# KiCad board 8851_HW-U1-VCU118_REV2-0_071417.kicad_pcb (continued)
## Routing (per net, layer and track width the routed paths; a pad name or vN(x,y) marks a point on that pad's centre or on a via; arc(x,y) is an arc through that point) (continued)
DDR4_C1_A10: length 145.2
  TOP w0.15: 96.2,53.49 v2(95.71,52.99)
  TOP w0.275: v3(75.49,102.35) 75.57,102.44 75.57,103.1
  03_SIG1 w0.17: 70.75,97.8 70.75,97.43 70.43,97.1 v1(70.43,92.35)
  03_SIG1 w0.287: 70.75,97.8 70.75,99.42 72.18,100.85 73.05,100.85 73.84,101.64 74.81,101.64 75.49,102.32 v3(75.49,102.35)
  07_SIG3 w0.17: v2(95.71,52.99) 95.21,52.5 95.21,51.81 94.93,51.52 93.47,51.52 93.16,51.21 93.16,49.82 92.99,49.65 92.9,49.65 ; 73.19,41.84 73.19,39.05 72.86,38.73 72.86,37.57 72.63,37.34 70.92,37.34 v1(70.43,36.85)
  07_SIG3 w0.287: 73.19,41.84 73.19,42 73.61,42.42 74.41,42.42 77.01,45.02 77.01,45.26 76.59,45.68 76.59,45.92 76.76,46.08 77,46.08 77.42,45.66 77.66,45.66 77.82,45.83 77.82,46.07 77.4,46.49 77.4,46.73 77.57,46.9 77.81,46.9 78.23,46.48 78.47,46.48 78.83,46.84 80.7,46.84 80.76,46.78 82.54,46.78 82.83,47.06 82.83,47.47 82.51,47.79 82.51,47.98 82.73,48.2 83,48.2 84.08,47.12 84.55,47.12 85.33,47.89 85.33,48.1 84.68,48.74 84.68,48.96 84.9,49.18 85.12,49.18 85.75,48.55 85.99,48.55 86.21,48.77 86.21,48.99 85.15,50.04 85.15,50.26 85.37,50.48 85.59,50.48 86.65,49.43 86.86,49.43 87.03,49.6 87.03,50.9 87.19,51.05 87.5,51.05 87.65,50.9 87.65,49.48 87.81,49.32 88.12,49.32 88.27,49.48 88.27,50.9 88.43,51.05 88.74,51.05 88.89,50.9 88.89,49.48 89.05,49.32 89.36,49.32 89.51,49.48 89.51,50.9 89.67,51.05 89.98,51.05 90.13,50.9 90.13,49.48 90.29,49.32 90.6,49.32 90.75,49.48 90.75,50.9 90.91,51.05 91.22,51.05 91.37,50.9 91.37,49.48 91.53,49.32 91.84,49.32 91.99,49.48 91.99,50.9 92.15,51.05 92.46,51.05 92.62,50.89 92.62,49.8 92.77,49.65 92.9,49.65
  16_SIG5 w0.087: v1(70.43,36.85) 70.43,38.48 70.82,38.88 70.82,42.91 70.65,43.08 70.2,43.08 70.03,43.25 70.03,43.59 70.2,43.76 70.65,43.76 70.82,43.93 70.82,44.27 70.65,44.44 70.2,44.44 70.03,44.61 70.03,44.95 70.2,45.12 70.65,45.12 70.82,45.29 70.82,45.63 70.65,45.8 70.2,45.8 70.03,45.97 70.03,46.31 70.2,46.48 70.65,46.48 70.82,46.65 70.82,50.33 v1(70.43,50.73) 70.82,51.12 70.82,54.73 70.65,54.9 70.56,54.9 70.39,55.07 70.39,55.41 70.56,55.58 70.65,55.58 70.82,55.75 70.82,56.09 70.65,56.26 70.56,56.26 70.39,56.43 70.39,56.77 70.56,56.94 70.65,56.94 70.82,57.11 70.82,60.46 70.65,60.63 69.88,60.63 69.71,60.8 69.71,61.14 69.88,61.31 70.65,61.31 70.82,61.48 70.82,64.21 v1(70.43,64.6) 70.82,64.99 70.82,78.08 v1(70.43,78.48) 70.61,78.66 70.61,86.85 70.82,87.07 70.82,88.47 70.65,88.64 70.23,88.64 70.05,88.82 70.05,89.16 70.2,89.32 70.65,89.32 70.82,89.49 70.82,91.96 v1(70.43,92.35)
  BOTTOM w0.15: 70.82,50.33 v1(70.43,50.73) ; 70.82,78.08 v1(70.43,78.48) ; 70.82,91.96 v1(70.43,92.35) ; 70.82,64.21 v1(70.43,64.6) ; 70.82,36.46 v1(70.43,36.85)
  BOTTOM w0.375: 74.76,95.9 v1(75.15,96.29) ; 74.76,82.02 v1(75.15,82.41) ; 74.76,40.4 v1(75.15,40.79) ; 74.76,54.27 v1(75.15,54.66) ; 74.76,68.15 v1(75.15,68.54)
DDR4_C1_A11: length 161.5
  TOP w0.15: v2(94.72,53.98) 95.21,54.47
  TOP w0.275: v3(84.57,98.82) 84.57,99.47 84.32,99.72
  18_SIG6 w0.087: v1(67.28,35.28) 66.28,35.28 63.66,37.9 63.66,42.57 64.49,43.4 64.49,46.36 v1(67.28,49.15) 66.86,49.15 64.54,51.47 64.54,53.49 64.86,53.81 64.86,54.95 64,55.81 64,58.14 66.41,60.55 66.41,62.16 v1(67.28,63.03) 66.98,63.03 65.87,64.14 65.87,75.49 v1(67.28,76.9) 66.76,76.9 66.39,77.27 66.39,89.89 v1(67.28,90.78)
  20_SIG7 w0.087: 68.46,34.33 68.46,34.65 68.23,34.88 67.68,34.88 v1(67.28,35.28) ; v2(94.72,53.98) 95.21,53.49 95.91,53.49 96.2,53.2 96.2,49.77 96.41,49.56 96.6,49.56 96.99,49.56 97.18,49.36 97.18,42.1
  20_SIG7 w0.155: 68.46,34.33 70.44,32.35 83.17,32.35 83.73,32.91 88.38,32.91 89.11,33.63 90.84,33.63 91.22,34.01 91.22,34.71 89.92,36.01 89.92,36.41 90.33,36.82 90.74,36.82 92.04,35.52 92.44,35.52 92.85,35.93 92.85,36.33 91.55,37.63 91.55,38.04 91.96,38.45 92.36,38.45 93.26,37.55 93.66,37.55 94.07,37.96 94.07,38.37 93.18,39.26 93.18,39.67 93.58,40.07 93.99,40.07 95.24,38.82 95.62,38.82 96.22,39.42 96.22,40.78 97.18,41.74 97.18,42.1
  BOTTOM w0.15: 67.67,49.55 v1(67.28,49.15) ; 67.67,77.3 v1(67.28,76.9) ; 67.67,91.17 v1(67.28,90.78) 66.9,90.78 66.5,91.17 ; 67.67,63.42 v1(67.28,63.03) ; 67.67,35.67 v1(67.28,35.28)
  BOTTOM w0.275: 66.5,91.17 65.82,91.85 65.82,94.8 64.58,96.05 64.58,99.12 65.82,100.36 83.03,100.36 v3(84.57,98.82)
DDR4_C1_A12: length 138
  TOP w0.15: v2(95.71,53.98) 96.2,54.47
  TOP w0.275: 68.07,99.72 68.07,98.93 v3(67.87,98.73)
  05_SIG2 w0.17: v1(71.22,94.71) 70.78,94.27 66.91,94.27 66.5,94.69 ; 66.5,97.8 66.5,97.8
  05_SIG2 w0.287: v3(67.87,98.73) 67.43,98.73 66.5,97.8 ; 66.5,97.8 66.16,97.46 66.16,95.02 66.5,94.69
  07_SIG3 w0.17: v1(71.22,94.71) 70.82,94.32 70.82,89.06 70.46,88.7 70.46,87.44 69.63,86.6 69.63,85.11 70.61,84.13 70.61,81.45 v1(71.22,80.84) 70.82,80.45 70.82,75.82 70.15,75.15 70.15,69.76 70.56,69.35 70.56,67.63 v1(71.22,66.96) 71.22,65.99 72.47,64.73 72.47,61.18 72.67,60.99 73.46,60.99 73.78,60.67 73.78,59.11 74.11,58.77 74.11,57.48 73.65,57.02 72.19,57.02 71.61,56.44 71.61,53.48 v1(71.22,53.09) 70.82,52.7 70.82,39.61 v1(71.22,39.21)
  20_SIG7 w0.087: v2(95.71,53.98) 95.21,54.47 94.52,54.47 94.23,54.76 94.23,55.17 93.94,55.46 93.41,55.46 ; v1(71.22,39.21) 71.22,38.4 73.16,36.46 80.9,36.46
  20_SIG7 w0.155: 80.9,36.46 83.05,36.46 83.3,36.7 83.3,37.06 82.89,37.47 82.89,37.88 83.29,38.29 83.7,38.29 84.11,37.87 84.47,37.87 84.8,38.21 84.8,38.61 84.46,38.95 84.46,39.36 84.87,39.76 85.28,39.76 85.61,39.43 86.02,39.43 86.79,40.19 86.79,40.78 86.5,41.07 84.32,41.07 84.03,41.36 84.03,41.93 84.32,42.22 86.5,42.22 86.79,42.51 86.79,43.08 86.5,43.37 84.77,43.37 84.48,43.66 84.48,44.23 84.77,44.52 86.5,44.52 86.79,44.81 86.79,45.38 86.5,45.67 84.32,45.67 84.03,45.96 84.03,46.53 84.32,46.82 86.5,46.82 86.79,47.11 86.79,47.68 86.5,47.97 84.91,47.97 84.62,48.26 84.62,48.83 84.91,49.12 86.5,49.12 86.79,49.41 86.79,51.01 91.23,55.46 93.41,55.46
  BOTTOM w0.15: 70.82,39.61 v1(71.22,39.21) ; 70.82,81.23 v1(71.22,80.84) ; 70.82,53.48 v1(71.22,53.09) ; 70.82,67.36 v1(71.22,66.96) ; 70.82,95.11 v1(71.22,94.71)
DDR4_C1_A13: length 152.7
  TOP w0.15: v2(96.69,55.95) 97.18,56.44
  TOP w0.275: v3(83.42,98.82) 83.32,98.92 83.32,99.72
  16_SIG5 w0.087: 80.33,35.67 69.48,35.67 69.25,35.9 69.25,37.02 68.62,37.66 68.05,37.66 67.67,38.04 67.67,40.4 v1(67.28,40.79) ; v2(96.69,55.95) 96.93,55.95 97.42,55.46 97.88,55.46 98.17,55.17 98.17,54.86 98.17,54.76 98.45,54.47 98.86,54.47 99.15,54.18 99.15,53.78 98.86,53.49 98.58,53.49 98.45,53.49 98.17,53.2 98.17,53.08 98.17,42.03
  16_SIG5 w0.138: 98.17,42.03 98.17,41.72 98.05,41.6
  16_SIG5 w0.155: 98.05,41.6 97.61,41.16 97.29,41.16 94.9,38.77 94.49,38.77 94.39,38.87 93.98,38.87 93.58,38.46 93.58,38.05 93.68,37.95 93.68,37.55 92.74,36.61 92.33,36.61 91.13,37.82 90.72,37.82 90.31,37.41 90.31,37.01 91.52,35.8 91.52,35.39 90.75,34.62 90.09,34.62 89.7,35.01 89.7,36.5 88.44,37.76 85.41,37.76 83.9,36.25 83.9,34.98 83.47,34.56 82.94,34.56 81.94,35.56 80.44,35.56 80.33,35.67
  20_SIG7 w0.087: v1(67.28,96.29) 66.56,95.56 66.56,94.47 66.72,94.3 67.08,94.3 67.25,94.13 67.25,93.79 67.08,93.62 66.72,93.62 66.56,93.45 66.56,83.14 v1(67.28,82.41) 67.67,82.02 67.67,72.11 67.55,71.99 67.55,71.15 67.67,71.03 67.67,68.93 v1(67.28,68.54) 66.45,68.54 65.85,67.94 65.85,64.26 65.69,64.11 65.48,64.11 65.33,63.95 65.33,63.49 65.48,63.33 65.69,63.33 65.85,63.18 65.85,60.58 65.69,60.43 65.31,60.43 65.15,60.27 65.15,59.81 65.31,59.65 65.69,59.65 65.85,59.5 65.85,58.94 66.28,58.52 66.28,55.67 v1(67.28,54.66) 66.44,53.82 66.44,51.99 64.53,50.08 64.53,43.17 64.96,42.74 65.18,42.74 65.51,43.07 65.73,43.07 66.06,42.75 66.06,42.53 65.72,42.2 65.72,41.98 66.91,40.79 v1(67.28,40.79)
  BOTTOM w0.15: 67.67,95.9 v1(67.28,96.29) 66.7,96.87 66.7,97.47 67.03,97.8 ; 67.67,82.02 v1(67.28,82.41) ; 67.67,68.15 v1(67.28,68.54) ; 67.67,40.4 v1(67.28,40.79) ; 67.67,54.27 v1(67.28,54.66)
  BOTTOM w0.275: 67.03,97.8 67.25,98.02 75.55,98.02 77.39,99.86 82.73,99.86 83.42,99.18 v3(83.42,98.82)
DDR4_C1_A14_WE_B: length 149.5
  TOP w0.15: v2(100.63,54.96) 101.12,55.46
  TOP w0.275: 65.82,99.72 65.82,98.82 v3(65.88,98.76)
  14_SIG4 w0.087: 98.17,41.9 98.17,42.35 98.16,42.35 98.16,42.37 97.88,42.66 97.86,42.66 97.86,42.66 97.47,42.66 97.18,42.95 97.18,42.95 97.18,42.97 97.18,42.97 97.18,43.37 97.45,43.65 98.86,43.65 99.15,43.94 99.15,44.34 99.44,44.63 99.76,44.63 99.77,44.63 99.85,44.63 100.13,44.92 100.13,46.28 100.14,46.29 100.14,46.31 100.43,46.6 100.87,46.6 101.12,46.85 101.12,48.28 101.41,48.56 101.92,48.56 102.11,48.75 102.11,48.85 102.11,49.26 102.39,49.55 102.85,49.55 103.09,49.79 103.09,50.26 103.36,50.53 103.85,50.53 104.07,50.75 104.07,52.21 103.78,52.5 103.38,52.5 103.09,52.79 103.09,53.2 102.8,53.49 102.39,53.49 102.1,53.78 102.1,54.18 101.81,54.47 101.12,54.47 v2(100.63,54.96) ; v1(71.22,35.28) 70.98,35.28 70.83,35.13 70.83,34.1 70.87,34.05 ; v1(71.22,90.78) 71.22,90.59 70.82,90.19 70.82,89.83 70.59,89.6 67.12,89.6 66.72,89.99 66.72,97.8
  14_SIG4 w0.155: 98.17,41.9 98.54,41.53 98.54,41.38 98.16,41.01 97.96,41.01 97.49,41.48 97.32,41.48 97.15,41.31 97.15,41.13 97.46,40.81 97.46,40.62 97.29,40.44 97.14,40.44 96.5,41.08 96.33,41.08 96.16,40.91 96.16,40.74 96.74,40.15 96.74,39.98 88.83,32.06 88.83,31.84 88.95,31.72 88.95,31.5 88.38,30.93 87.95,30.93 87.78,31.1 87.78,31.25 87.62,31.4 86.68,31.4 86.53,31.25 86.53,30.98 86.65,30.85 87.14,30.85 87.27,30.73 87.27,30.5 87.04,30.27 86.03,30.27 85.9,30.4 85.9,30.96 85.78,31.09 85.2,31.09 85.05,30.94 85.05,30.4 84.93,30.27 84.29,30.27 84.1,30.46 84.1,30.85 83.88,31.07 83.45,31.07 83.25,30.87 83.25,30.7 82.94,30.39 79.77,30.39 79.11,31.04 77.43,31.04 76.75,31.73 73.52,31.73 71.48,33.77 71.15,33.77 70.87,34.05 ; 66.72,97.8 66.72,97.92 v3(65.88,98.76)
  18_SIG6 w0.087: v1(71.22,90.78) 71.61,90.38 71.61,88.82 72.19,88.24 72.19,86.73 70.82,85.36 70.82,78.31 71.05,78.08 71.38,78.08 71.61,77.85 71.61,77.29 v1(71.22,76.9) 71.61,76.51 71.61,75.31 70.82,74.52 70.82,64.44 71.05,64.21 71.38,64.21 71.61,63.98 71.61,63.42 v1(71.22,63.03) 71.42,63.03 71.81,62.63 72.17,62.63 72.4,62.4 72.4,61.09 72.9,60.59 72.9,57.59 72.2,56.9 71.13,56.9 70.82,56.59 70.82,50.56 71.06,50.33 71.38,50.33 71.61,50.1 71.61,49.54 v1(71.22,49.15) 71.61,48.76 71.61,47.28 72.06,46.83 73.07,46.83 73.74,46.16 73.74,43.85 73.33,43.44 72.03,43.44 70.82,42.23 70.82,35.67 v1(71.22,35.28)
  BOTTOM w0.15: 71.61,77.3 v1(71.22,76.9) ; 71.61,91.17 v1(71.22,90.78) ; 71.61,35.67 v1(71.22,35.28) ; 71.61,63.42 v1(71.22,63.03) ; 71.61,49.55 v1(71.22,49.15)
  vias: v1(75.94,95.5) v1(75.94,81.63) v1(75.94,67.75) v1(75.94,53.88) v1(75.94,40)
DDR4_C1_A15_CAS_B: length 143
  TOP w0.15: v2(100.63,55.95) 101.12,56.44
  TOP w0.275: 68.07,103.1 v3(68.07,102.14)
  14_SIG4 w0.087: v2(100.63,55.95) 101.12,55.46 101.69,55.46 102.1,55.04 102.1,54.85 102.48,54.47 102.68,54.47 103.09,54.07 103.09,53.86 103.46,53.49 103.68,53.49 104.07,53.09 104.07,52.82 104.38,52.5 104.67,52.5 105.06,52.12 105.06,50.88 104.71,50.53 104.36,50.53 104.07,50.25 104.07,49.84 104.08,49.84 104.08,49.79 103.83,49.55 103.38,49.55 103.09,49.26 103.09,48.93 103.08,48.93 103.08,48.86 102.8,48.57 102.72,48.57 102.72,48.57 102.27,48.57 102.1,48.4 102.1,46.89 101.81,46.6 101.41,46.6 101.12,46.3 101.12,44.9 100.85,44.63 100.81,44.63 100.8,44.63 100.42,44.63 100.41,44.61 100.4,44.61 100.13,44.34 100.13,44.06 99.72,43.64 99.56,43.64 99.15,43.23 99.15,41.33 ; v1(71.22,96.29) 69.71,97.8 ; 70.03,34.13 70.03,34.05
  14_SIG4 w0.122: v1(71.22,40.79) 70.79,40.36 70.79,38.74 70.46,38.4 69.61,38.4 69.25,38.05 69.25,35.12 69.49,34.88 69.8,34.88 70.03,34.65 70.03,34.13
  14_SIG4 w0.155: v3(68.07,102.14) 68.07,102.14 68.72,101.49 68.72,100.22 69.62,99.32 69.62,97.89 69.71,97.8 ; 99.15,41.33 90.66,32.84 90.66,32.26 90.66,32.26 90.66,32.25 90.35,31.94 90.34,31.94 88.01,29.62 79.52,29.62 79.32,29.42 78.13,29.42 76.47,31.07 73.09,31.07 71.77,32.4 71.59,32.4 70.03,33.96 70.03,34.05
  20_SIG7 w0.087: v1(71.22,96.29) 70.82,95.9 70.82,93.59 70.04,92.81 70.04,87.72 70.56,87.2 70.56,85.45 70.38,85.28 69.87,85.28 69.7,85.11 69.7,84.77 69.87,84.6 70.38,84.6 70.56,84.43 70.56,83.08 v1(71.22,82.41) 70.82,82.02 70.82,74.68 70.91,74.59 71.01,74.59 71.1,74.5 71.1,74.24 71.01,74.15 70.91,74.15 70.82,74.06 70.82,73.8 70.91,73.71 71.01,73.71 71.1,73.63 71.1,73.36 71.01,73.28 70.91,73.28 70.82,73.19 70.82,68.93 v1(71.22,68.54) 70.82,68.15 70.82,66.38 69.25,64.8 69.25,61.55 70.67,60.13 70.67,59.8 70.5,59.63 70.26,59.63 70.09,59.46 70.09,59.12 70.26,58.95 70.5,58.95 70.67,58.78 70.67,58.44 70.5,58.27 70.26,58.27 70.09,58.1 70.09,57.76 70.26,57.59 70.5,57.59 70.67,57.42 70.67,55.21 v1(71.22,54.66) 70.82,54.27 70.82,52.54 69.25,50.97 69.25,48.99 69.02,48.76 68.69,48.76 68.46,48.53 68.46,47.86 67.25,46.65 67.25,46.25 70.41,43.08 70.41,41.59 v1(71.22,40.79)
  BOTTOM w0.15: 70.82,95.9 v1(71.22,96.29) ; 70.82,68.15 v1(71.22,68.54) ; 70.82,54.27 v1(71.22,54.66) ; 70.82,82.02 v1(71.22,82.41) ; 70.82,40.4 v1(71.22,40.79)
DDR4_C1_A16_RAS_B: length 138.4
  TOP w0.15: v2(98.66,55.95) 99.15,56.44
  TOP w0.275: v3(70.17,98.78) 70.07,98.88 70.07,99.72
  14_SIG4 w0.087: v1(72,96.29) 71.61,96.69 71.61,97.34 71.15,97.8
  14_SIG4 w0.155: 71.15,97.8 v3(70.17,98.78)
  20_SIG7 w0.087: v1(72,96.29) 71.61,95.9 71.61,93.49 70.82,92.7 70.82,89.15 72.13,87.84 72.13,85.31 71.61,84.79 71.61,82.81 v1(72,82.41) 71.61,82.02 71.61,72.36 71.88,72.09 71.88,70.16 71.61,69.88 71.61,68.93 v1(72,68.54) 71.61,68.15 71.61,66.41 70.04,64.84 70.04,61.72 70.24,61.52 71.56,61.52 71.85,61.23 71.85,59.95 71.68,59.78 71.49,59.78 71.32,59.61 71.32,59.27 71.49,59.1 71.68,59.1 71.85,58.93 71.85,57.12 71.61,56.89 71.61,55.06 v1(72,54.66) 71.61,54.27 71.61,52.16 70.82,51.37 70.82,48.05 70.27,47.5 70.27,47.26 70.56,46.98 70.56,46.73 70.32,46.49 70.08,46.49 69.79,46.78 69.55,46.78 68.88,46.11 68.88,45.45 70.93,43.4 70.93,42.47 71.61,41.79 71.61,41.18 v1(72,40.79) 71.61,40.4 71.61,38.64 71.69,38.56 ; v2(98.66,55.95) 99.15,55.46 99.15,54.76 98.86,54.47 97.47,54.47 97.18,54.76 97.18,55.17 96.89,55.46 96.49,55.46 96.2,55.74 96.2,56.15 95.91,56.44 92.9,56.44
  20_SIG7 w0.155: 92.9,56.44 90.2,56.44 86.98,59.66 86.59,59.66 86.19,59.26 86.19,58.83 89.4,55.61 89.4,55.2 89,54.8 88.59,54.8 86.7,56.69 86.52,56.69 85.96,56.13 85.96,55.8 87.78,53.98 87.78,53.58 87.37,53.17 86.97,53.17 85.59,54.55 85.18,54.55 84.78,54.14 84.78,53.74 86.15,52.36 86.15,51.95 84.48,50.28 83.85,50.28 83.2,49.63 83.2,44.49 83.62,44.07 83.62,43.03 83.2,42.61 83.2,40.26 80.63,37.7 72.55,37.7 71.69,38.56
  BOTTOM w0.15: 71.61,82.02 v1(72,82.41) ; 71.61,40.4 v1(72,40.79) ; 71.61,54.27 v1(72,54.66) ; 71.61,95.9 v1(72,96.29) ; 71.61,68.15 v1(72,68.54)
  vias: v1(71.22,95.5) v1(71.22,81.63) v1(71.22,67.75) v1(71.22,53.88) v1(71.22,40)
DDR4_C1_ACT_B: length 145.9
  TOP w0.15: v2(97.67,53.98) 98.17,54.47
  TOP w0.275: v3(65.94,102.4) 65.85,102.4 65.82,102.42 65.82,103.1
  05_SIG2 w0.17: v1(71.22,92.35) 70.64,92.93 67.32,92.93 66.5,93.75
  05_SIG2 w0.287: v3(65.94,102.4) 65.94,101.42 64.59,100.06 64.59,96.39 65.5,95.47 65.5,94.75 66.22,94.02 66.23,94.02 66.5,93.75
  16_SIG5 w0.087: 92.9,45.38 93.13,45.61 93.97,45.61 94.23,45.88 94.23,46.01 94.23,55.17 94.52,55.46 95.91,55.46 96.2,55.17 96.2,54.86 96.2,54.65 96.38,54.47 96.89,54.47 97.39,53.98 v2(97.67,53.98) ; 80.33,38 79.11,38 78.31,38.8 73.16,38.8 v1(71.22,36.85) 71.22,38.11 71.61,38.51 71.61,42.4 71.77,42.56 72.14,42.56 72.31,42.73 72.31,44.06 71.61,44.75 71.61,45.26 71.78,45.43 72.24,45.43 72.41,45.6 72.41,45.94 72.24,46.11 71.78,46.11 71.61,46.28 71.61,46.62 71.78,46.79 72.24,46.79 72.41,46.96 72.41,47.3 72.24,47.47 71.78,47.47 71.61,47.64 71.61,50.33 v1(71.22,50.73) 71.61,51.12 71.61,55.95 71.92,56.26 71.92,58.8 71.72,59 71.72,59.65 71.92,59.85 71.92,60.31 71.75,60.48 71.35,60.48 71.18,60.65 71.18,60.99 71.35,61.16 71.75,61.16 71.92,61.33 71.92,61.6 73.01,62.69 73.01,63.9 72.7,64.21 71.61,64.21 v1(71.22,64.6) 71.61,65 71.61,69.49 71.94,69.82 71.94,73.34 71.61,73.67 71.61,78.08 v1(71.22,78.48) 71.61,78.87 71.61,83.89 73.2,85.49 73.2,86.69 71.61,88.28 71.61,91.96 v1(71.22,92.35)
  16_SIG5 w0.155: 92.9,45.38 92.75,45.23 91.32,45.23 91,44.91 91,44.36 91.27,44.1 92.34,44.1 92.56,43.88 92.56,42.6 92.2,42.25 91.87,42.25 90.2,43.91 89.8,43.91 89.39,43.5 89.39,43.09 91.14,41.35 91.61,40.88 92.63,40.88 92.9,40.6 92.9,40.08 92.58,39.77 91.09,39.77 88.58,42.28 88.17,42.28 87.76,41.88 87.76,41.47 89.01,40.22 89.01,40.01 88.51,39.51 88.09,39.51 86.95,40.66 86.54,40.66 85.8,39.91 85.8,39.77 85.51,39.48 84.93,39.48 84.65,39.77 84.65,40.12 84.36,40.4 82.24,40.4 81.94,40.11 81.94,39.31 80.63,38 80.33,38
  BOTTOM w0.15: 71.61,50.33 v1(71.22,50.73) ; 71.61,78.08 v1(71.22,78.48) ; 71.61,91.96 v1(71.22,92.35) ; 71.61,36.46 v1(71.22,36.85) ; 71.61,64.21 v1(71.22,64.6)
  vias: v1(75.15,95.5) v1(75.15,81.63) v1(75.15,67.75) v1(75.15,53.88) v1(75.15,40)
DDR4_C1_ALERT_B: length 144.9
  TOP w0.15: v2(107.52,57.92) 108.01,58.41
  TOP w0.275: v3(71.99,102.21) 71.82,102.38 71.82,103.1
  07_SIG3 w0.17: v1(68.86,97.08) 68.48,97.45 68.48,97.8
  07_SIG3 w0.287: v3(71.99,102.21) 71.39,102.21 71.25,102.08 71.25,100.8 70.97,100.52 68.83,100.52 68.47,100.17 68.47,97.81 68.48,97.8
  14_SIG4 w0.087: v2(107.52,57.92) 107.52,58.19 107.31,58.4 106.24,58.4 106.03,58.61 106.03,59.24 105.88,59.39 92.9,59.39 ; v1(68.86,41.58) 69.25,41.19 69.8,41.19 70.03,41.41 70.03,42.15
  14_SIG4 w0.155: 70.03,42.15 66.52,45.66 66.52,57.35 68.3,59.13 71.77,59.13 71.93,58.97 71.93,58.5 72.08,58.34 72.55,58.34 72.7,58.5 72.7,58.97 72.86,59.13 73.32,59.13 73.48,58.97 73.48,58.5 73.63,58.34 74.1,58.34 74.25,58.5 74.25,58.97 74.41,59.13 74.87,59.13 75.03,58.97 75.03,58.5 75.18,58.34 75.65,58.34 75.8,58.5 75.8,58.97 75.96,59.13 76.42,59.13 76.58,58.97 76.58,58.5 76.73,58.34 77.2,58.34 77.35,58.5 77.35,58.97 77.51,59.13 82.1,59.13 83.18,58.05 84.7,58.05 85.28,58.63 92.05,58.63 92.81,59.39 92.9,59.39
  16_SIG5 w0.087: v1(68.86,41.58) 68.86,42.01 67.82,43.04 67.82,44.9 67.65,45.07 67.15,45.07 66.98,45.24 66.98,45.58 67.15,45.75 67.65,45.75 67.82,45.92 67.82,47.52 68.1,47.8 68.95,47.8 69.25,48.1 69.25,55.06 v1(68.86,55.45) 68.17,56.14 68.17,56.7 68.38,56.91 68.38,57.55 68.17,57.76 68.17,58.78 68.34,58.95 69.26,58.95 69.43,59.12 69.43,59.46 69.26,59.63 68.34,59.63 68.17,59.8 68.17,61.62 68.46,61.91 68.46,63.19 68.69,63.42 69.02,63.42 69.25,63.65 69.25,68.93 v1(68.86,69.33) 69.5,69.97 69.5,72.98 69.42,73.07 69.19,73.07 69.1,73.15 69.1,73.42 69.19,73.5 69.42,73.5 69.5,73.59 69.5,74.37 69.25,74.62 69.25,82.81 v1(68.86,83.2) 68.25,83.81 68.25,85.75 68.42,85.92 68.64,85.92 68.81,86.09 68.81,86.43 68.64,86.6 68.42,86.6 68.25,86.77 68.25,87.41 69.25,88.41 69.25,96.68 v1(68.86,97.08)
  BOTTOM w0.15: 69.25,68.93 v1(68.86,69.33) ; 69.25,41.18 v1(68.86,41.58) ; 69.25,82.81 v1(68.86,83.2) ; 69.25,96.68 v1(68.86,97.08) ; 69.25,55.06 v1(68.86,55.45)
DDR4_C1_BA0: length 146.6
  TOP w0.15: v2(99.64,55.95) 100.13,56.44
  TOP w0.275: 74.32,99.72 74.32,98.95 74.48,98.79 v3(74.56,98.79)
  14_SIG4 w0.087: 73.14,34.05 73.14,35.49 72.4,36.22 72.4,37.23 72.29,37.34 72.07,37.34 71.96,37.45 71.96,37.71 72.11,37.87 73.33,37.87 73.47,38.01 73.47,38.52 73.3,38.69 71.53,38.69 71.4,38.56 71.4,37.53 71.24,37.37 70.82,37.37 70.71,37.49 70.71,37.93 70.58,38.06 70.19,38.06 70.04,37.9 70.04,35.67 v1(69.64,35.28) ; 92.9,40.82 93.98,41.89 94.15,41.89 94.31,41.73 94.5,41.73 94.67,41.9 94.67,42.06 94.6,42.14 94.6,42.28 95.21,42.89 95.21,43.35 95.5,43.64 95.9,43.64 96.2,43.93 96.2,43.94 96.2,43.94 96.2,44.34 96.49,44.63 96.95,44.63 97.18,44.86 97.18,46.4 97.38,46.6 98.85,46.6 98.85,46.6 98.86,46.6 99.15,46.89 99.15,46.9 99.15,48.27 99.44,48.56 99.84,48.56 100.13,48.85 100.13,49.26 100.43,49.55 100.92,49.55 101.12,49.75 101.12,50.3 101.36,50.53 101.86,50.53 102.1,50.78 102.1,52.21 101.81,52.5 101.41,52.5 101.12,52.79 101.12,53.2 100.83,53.49 100.42,53.49 100.13,53.78 100.13,55.46 v2(99.64,55.95) ; v1(69.64,90.78) 70.03,90.39 70.59,90.39 70.83,90.62 70.83,92.68 71.3,93.15 72,93.15 73.19,94.34 73.19,97.42 73.57,97.8
  14_SIG4 w0.155: 92.9,40.82 88.85,36.77 88.85,34.1 87.68,32.93 84.99,32.93 84.78,33.14 84.78,34.27 84.56,34.48 84.14,34.48 83.93,34.27 83.93,33.14 83.71,32.93 82.69,32.93 81.46,31.7 80.31,31.7 79.66,32.35 77.97,32.35 77.29,33.04 74.15,33.04 73.14,34.05 ; 73.57,97.8 v3(74.56,98.79)
  18_SIG6 w0.087: v1(69.64,90.78) 69.25,90.38 69.25,87.74 69.08,87.57 69.05,87.57 68.88,87.4 68.88,87.06 69.05,86.89 69.08,86.89 69.25,86.72 69.25,86.38 69.08,86.21 69.05,86.21 68.88,86.04 68.88,85.7 69.05,85.53 69.08,85.53 69.25,85.36 69.25,85.02 69.08,84.85 69.05,84.85 68.88,84.68 68.88,84.34 69.05,84.17 69.08,84.17 69.25,84 69.25,77.53 69.64,77.13 v1(69.64,76.9) 69.64,76.67 69.25,76.28 69.25,75.08 68.83,74.65 68.83,74.12 68.97,73.98 68.97,73.32 68.83,73.17 68.83,72.38 69.38,71.82 69.38,69.96 69.25,69.83 69.25,63.65 69.64,63.26 v1(69.64,63.03) 69.64,62.79 70.03,62.4 70.03,60.54 70.19,60.39 70.72,60.39 71.04,60.06 71.04,59.64 70.75,59.34 69.63,59.34 69.42,59.13 69.42,58.72 69.59,58.55 69.86,58.55 70.03,58.38 70.03,58.04 69.86,57.87 69.61,57.87 69.25,57.51 69.25,49.78 69.64,49.38 v1(69.64,49.15) 69.64,48.92 69.25,48.53 69.25,48.2 69.36,48.09 69.36,45.79 69.19,45.62 67.99,45.62 67.82,45.45 67.82,45.11 67.99,44.94 69.19,44.94 69.36,44.77 69.36,41.85 69.25,41.74 69.25,35.9 69.64,35.51 v1(69.64,35.28)
  BOTTOM w0.15: 70.04,91.17 v1(69.64,90.78) ; 70.04,35.67 v1(69.64,35.28) ; 70.04,49.55 v1(69.64,49.15) ; 70.04,63.42 v1(69.64,63.03) ; 70.04,77.3 v1(69.64,76.9)
DDR4_C1_BA1: length 142.2
  TOP w0.15: v2(99.64,53.98) 100.13,54.47
  TOP w0.275: v3(70.59,102.18) 70.82,102.41 70.82,103.1
  05_SIG2 w0.17: v1(69.64,96.29) 70.25,96.9 70.25,97.49 70.56,97.8
  05_SIG2 w0.287: v3(70.59,102.18) 70.32,102.18 69.93,101.79 69.93,100.23 70.74,99.42 70.74,97.98 70.56,97.8
  14_SIG4 w0.087: v2(99.64,53.98) 99.15,54.47 99.15,56.19 98.9,56.44 93.54,56.44 92.9,57.08 ; v1(69.64,40.79) 69.83,40.79 70.33,41.29 70.33,43.58
  14_SIG4 w0.155: 92.9,57.08 92.78,57.2 86.12,57.2 84.6,55.67 82.2,55.67 80.61,57.27 79.66,57.27 79.5,57.11 79.5,56.73 79.35,56.58 79.04,56.58 78.88,56.73 78.88,57.11 78.73,57.27 78.42,57.27 78.26,57.11 78.26,56.56 78.11,56.41 77.8,56.41 77.64,56.56 77.64,57.11 77.49,57.27 77.18,57.27 77.02,57.11 77.02,56.56 76.87,56.41 76.56,56.41 76.4,56.56 76.4,57.11 76.25,57.27 75.94,57.27 75.78,57.11 75.78,56.56 75.63,56.41 75.32,56.41 75.16,56.56 75.16,57.11 75.01,57.27 74.7,57.27 74.54,57.11 74.54,56.56 74.39,56.41 74.08,56.41 73.92,56.56 73.92,57.11 73.77,57.27 73.46,57.27 73.3,57.11 73.3,56.56 73.15,56.41 72.84,56.41 72.68,56.56 72.68,57.11 72.53,57.27 72.22,57.27 72.06,57.11 72.06,56.56 71.91,56.41 71.6,56.41 71.44,56.56 71.44,57.11 71.29,57.27 70.98,57.27 70.82,57.11 70.82,56.56 70.67,56.41 70.36,56.41 70.2,56.56 70.2,57.11 70.05,57.27 69.74,57.27 69.58,57.11 69.58,56.56 69.43,56.41 69.12,56.41 68.96,56.56 68.96,57.11 68.81,57.27 68.11,57.27 66.86,56.02 66.86,47.05 70.33,43.58
  20_SIG7 w0.087: v1(69.64,40.79) 69.64,41.02 69.25,41.41 69.25,42.12 68.38,43 68.17,43 67.98,43.18 67.98,43.39 67.78,43.6 67.65,43.6 67.49,43.43 67.37,43.43 67.18,43.62 67.18,43.74 67.34,43.91 67.34,44.03 66.03,45.35 66.03,49.34 67.02,50.33 67.44,50.33 67.68,50.56 67.68,50.97 69.25,52.55 69.25,54.27 v1(69.64,54.66) 69.25,55.06 68.69,55.06 68.46,55.29 68.46,58.09 66.87,59.67 66.87,60.36 67.13,60.62 67.13,61.21 66.87,61.47 66.87,65.1 68.46,66.69 68.46,67.94 68.66,68.15 69.25,68.15 v1(69.64,68.54) 69.25,68.93 69.25,70.13 69.48,70.36 69.48,71.97 69.25,72.2 69.25,82.02 v1(69.64,82.41) 69.25,82.81 68.69,82.81 68.46,83.04 68.46,85.12 68.7,85.36 68.7,85.97 68.46,86.21 68.46,93.16 69.25,93.94 69.25,95.9 v1(69.64,96.29)
  BOTTOM w0.15: 70.04,68.15 v1(69.64,68.54) ; 70.04,54.27 v1(69.64,54.66) ; 70.04,40.4 v1(69.64,40.79) ; 70.04,95.9 v1(69.64,96.29) ; 70.04,82.02 v1(69.64,82.41)
DDR4_C1_BG0: length 148.4
  TOP w0.15: v2(100.63,53.98) 101.12,54.47
  TOP w0.275: 71.07,99.72 71.07,99.03 v3(71.33,98.77)
  14_SIG4 w0.087: 72.3,97.8 72.4,97.71 72.4,94.55 71.59,93.75 70.8,93.75 70.03,92.98 70.03,91.17 v1(70.43,90.78) ; 72.4,34.05 72.4,35.55 72.28,35.67 70.82,35.67 v1(70.43,35.28) ; 96.2,41.74 96.2,43.35 96.49,43.64 96.89,43.64 97.18,43.93 97.18,44.34 97.47,44.63 97.95,44.63 98.17,44.85 98.17,44.92 98.17,45.32 98.46,45.61 98.46,45.61 98.47,45.61 98.89,45.61 99.15,45.88 99.15,46.3 99.44,46.6 99.97,46.6 100.13,46.76 100.13,48.28 100.42,48.57 100.92,48.57 101.12,48.77 101.12,48.85 101.12,49.32 101.35,49.55 101.89,49.55 102.1,49.76 102.1,50.34 102.3,50.54 102.86,50.54 103.09,50.76 103.09,52.33 102.91,52.5 102.39,52.5 102.1,52.79 102.1,53.2 101.81,53.49 101.15,53.49 100.65,53.98 v2(100.63,53.98)
  14_SIG4 w0.155: 96.2,41.74 95.96,41.51 95.65,41.51 95.45,41.32 95.45,39.83 95.33,39.7 95.16,39.7 95.15,39.69 94.14,40.7 93.84,40.7 93.54,40.4 93.54,40.1 94.55,39.09 94.55,38.79 94.25,38.49 93.95,38.49 92.94,39.5 92.64,39.5 92.34,39.2 92.34,38.9 93.35,37.89 93.35,37.59 93.05,37.29 92.75,37.29 91.74,38.3 91.44,38.3 91.14,38 91.14,37.7 92.15,36.69 92.15,36.39 91.85,36.09 91.55,36.09 90.53,37.1 90.23,37.1 89.93,36.8 89.93,36.5 90.95,35.49 90.95,35.19 87.98,32.22 83.15,32.22 81.97,31.04 80.04,31.04 79.39,31.7 77.7,31.7 77.02,32.38 73.8,32.38 72.4,33.78 72.4,34.05 ; 72.3,97.8 v3(71.33,98.77)
  18_SIG6 w0.087: v1(70.43,90.78) 70.82,90.38 70.82,88.5 71,88.32 71,87.07 70.56,86.62 70.56,86.08 70.46,85.98 70.46,79.41 70.04,78.99 70.04,78.31 70.27,78.08 70.59,78.08 70.82,77.85 70.82,77.29 v1(70.43,76.9) 70.82,76.51 70.82,75.38 70.42,74.98 70.42,65.53 70.04,65.15 70.04,64.44 70.27,64.21 70.59,64.21 70.82,63.98 70.82,63.42 v1(70.43,63.03) 70.63,63.03 71.03,62.63 71.38,62.63 71.61,62.4 71.61,60.89 72.39,60.11 72.39,57.8 71.9,57.31 70.74,57.31 70.43,57 70.43,52.33 70.04,51.94 70.04,50.56 70.27,50.33 70.59,50.33 70.82,50.1 70.82,49.54 v1(70.43,49.15) 70.82,48.76 70.82,47.04 71.53,46.34 72.58,46.34 73.12,45.8 73.12,44.2 72.91,43.99 72,43.99 70.4,42.39 70.4,38.34 70.04,37.98 70.04,35.67 v1(70.43,35.28)
  BOTTOM w0.15: 70.82,91.17 v1(70.43,90.78) ; 70.82,35.67 v1(70.43,35.28) ; 70.82,49.55 v1(70.43,49.15) ; 70.82,63.42 v1(70.43,63.03) ; 70.82,77.3 v1(70.43,76.9)
  BOTTOM w0.375: 75.55,68.15 v1(75.94,68.54) ; 75.55,40.4 v1(75.94,40.79) ; 75.55,54.27 v1(75.94,54.66) ; 75.55,95.9 v1(75.94,96.29) ; 75.55,82.02 v1(75.94,82.41)
